# KiCad board fpga.kicad_pcb (continued)
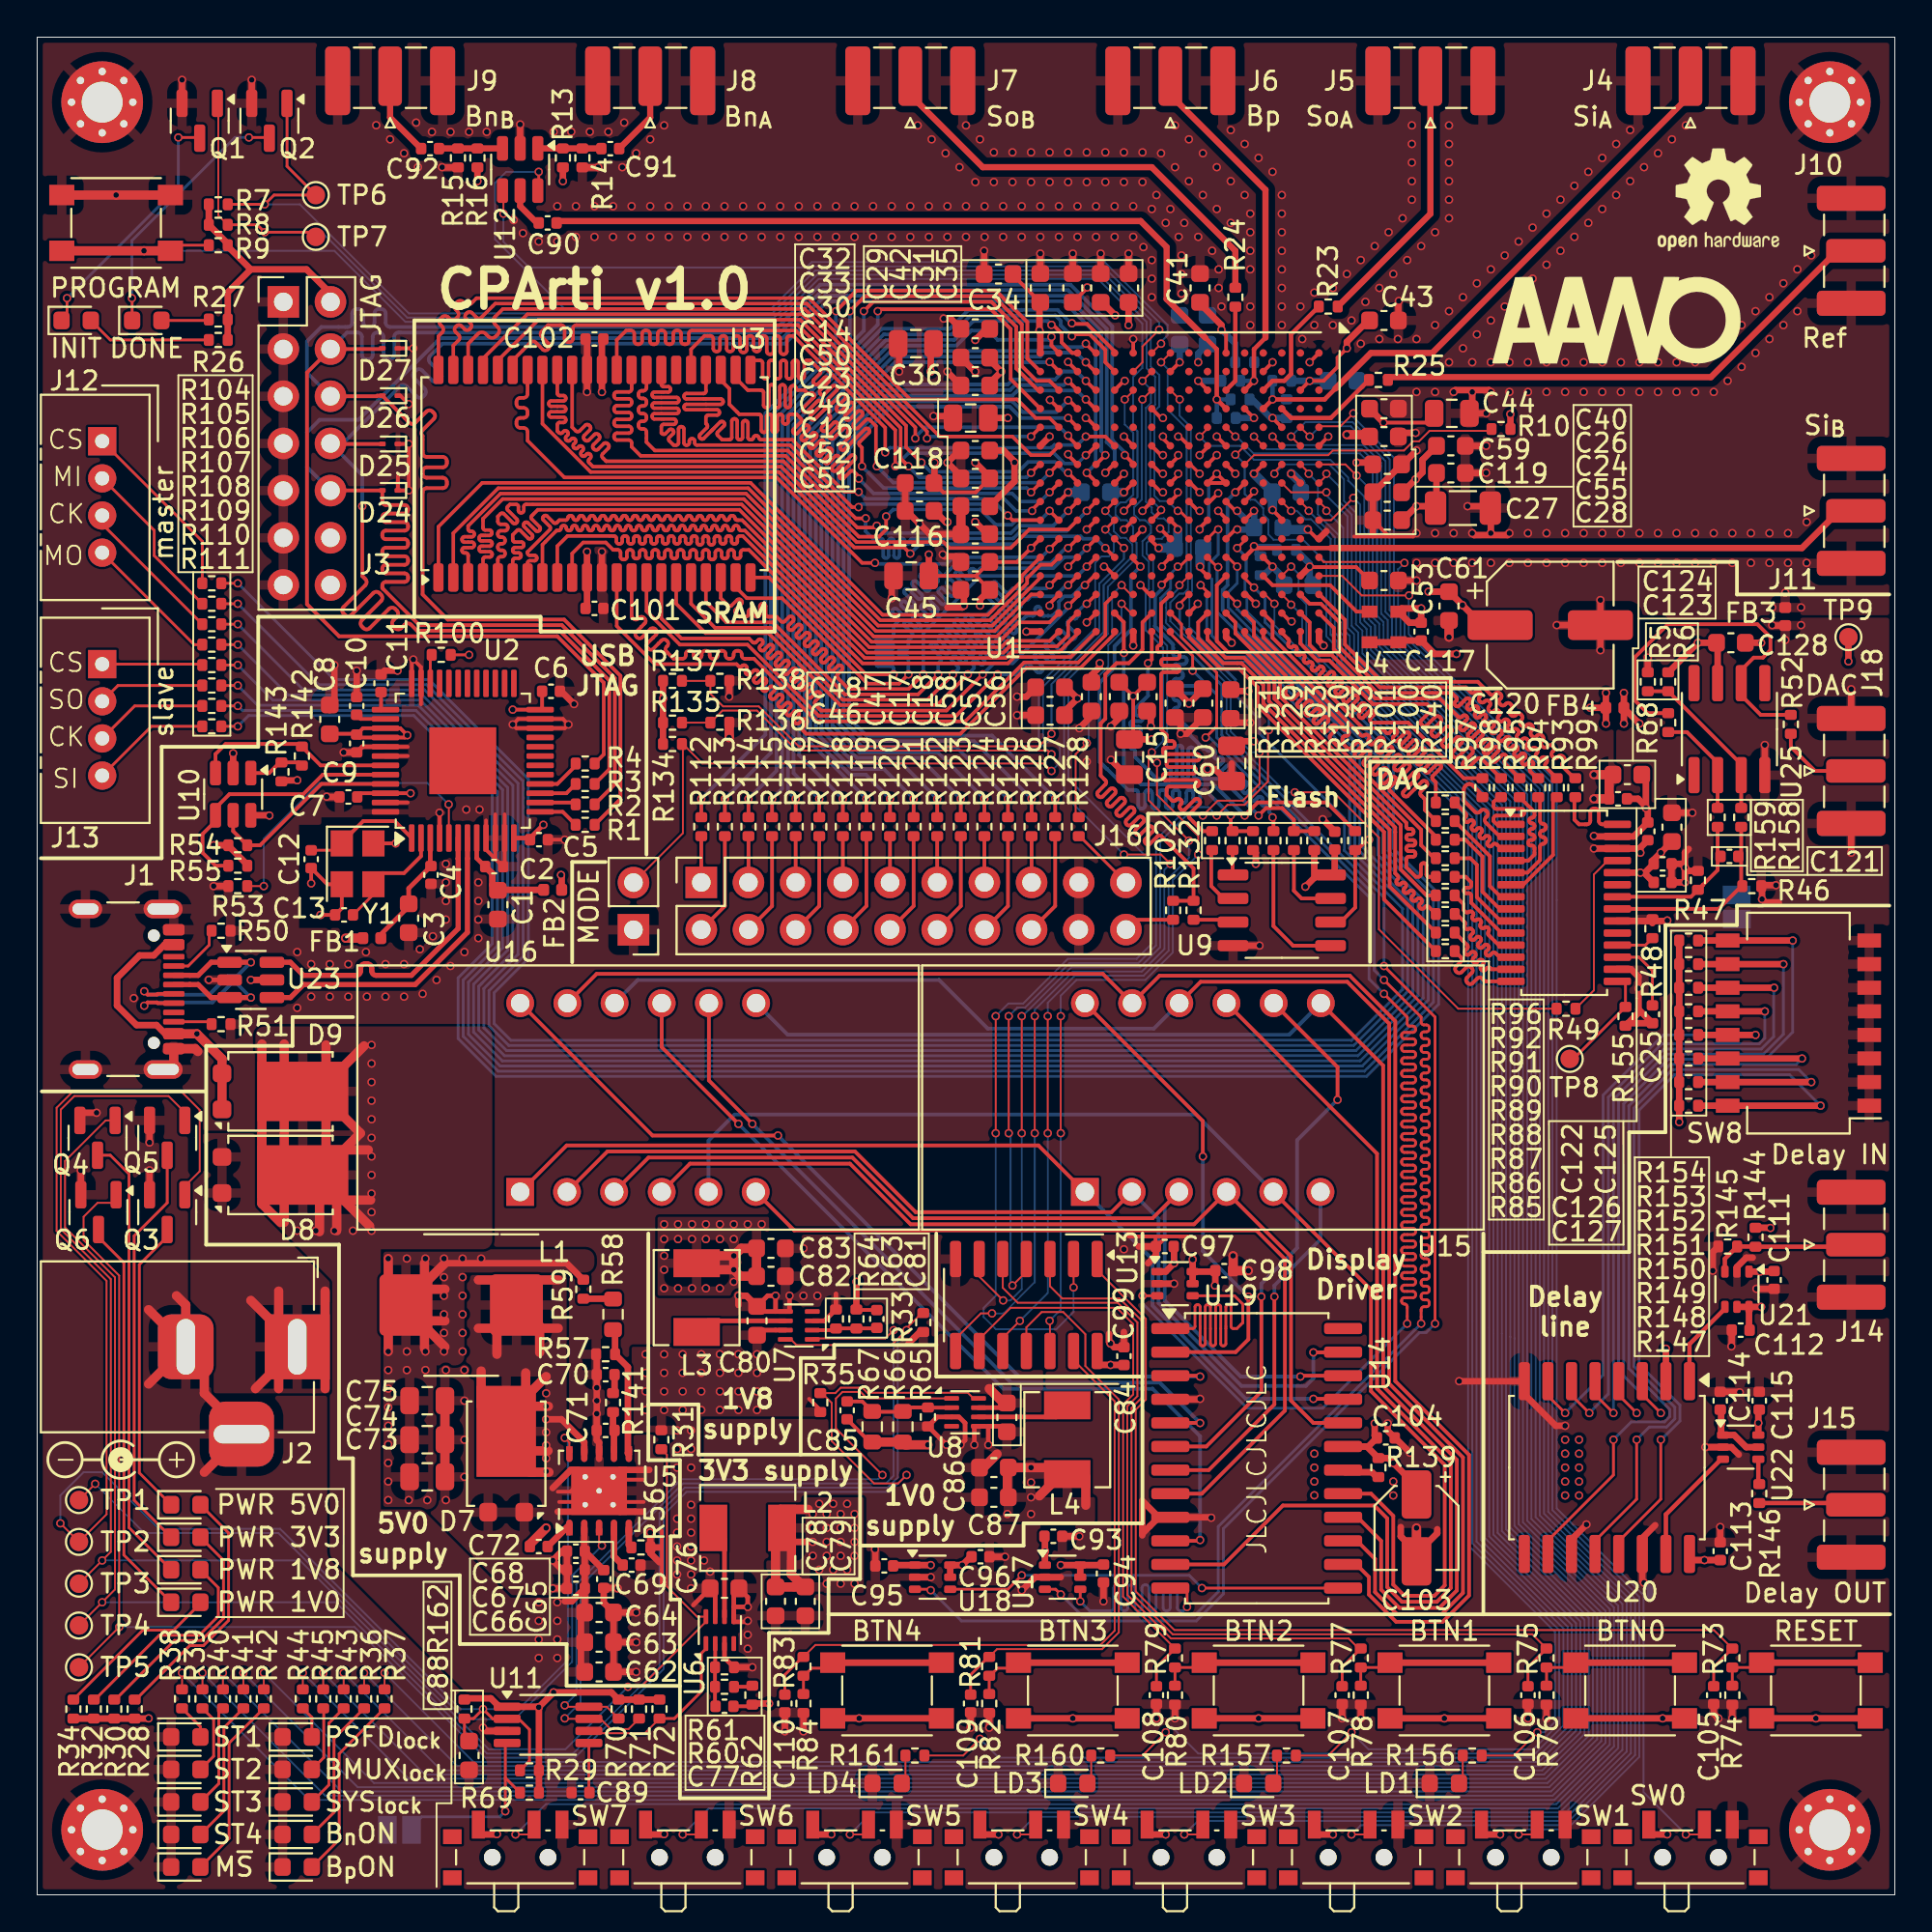
[diagram p0: board, top side]
## Placement (name value [footprint] x y rotation side) (continued)
R141  16k9  [R_0402_1005Metric]  31 26.5 90 top
R142  2k  [R_0402_1005Metric]  14.25 61.3 90 top
R143  10k  [R_0402_1005Metric]  13.15 60.45 90 top
R144  100  [R_0402_1005Metric]  92.5 35.4 270 top
R145  100  [R_0402_1005Metric]  91 34.9 180 top
R146  0  [R_0402_1005Metric]  92.7 21.6 90 top
R147  10k  [R_0402_1005Metric]  88.9 42.48 180 top
R148  10k  [R_0402_1005Metric]  88.9 43.75 180 top
R149  10k  [R_0402_1005Metric]  88.9 45.02 180 top
R150  10k  [R_0402_1005Metric]  88.9 46.29 180 top
R151  10k  [R_0402_1005Metric]  88.9 47.56 180 top
R152  10k  [R_0402_1005Metric]  88.9 48.83 180 top
R153  10k  [R_0402_1005Metric]  88.9 50.1 180 top
R154  10k  [R_0402_1005Metric]  88.9 51.37 180 top
R155  10k  [R_0402_1005Metric]  85.5 47.29 90 top
R156  330R  [R_0402_1005Metric]  77.25 7.5 180 top
R157  330R  [R_0402_1005Metric]  67.25 7.5 180 top
R158  226  [R_0402_1005Metric]  91.73 58 90 top
R159  226  [R_0402_1005Metric]  90.46 58 90 top
R160  330R  [R_0402_1005Metric]  57.25 7.5 180 top
R161  330R  [R_0402_1005Metric]  47.25 7.5 180 top
R162  100k  [R_0402_1005Metric]  23 10 90 top
REF**  -  [OSHW-Logo2_7.3x6mm_SilkScreen]  90.5 91.25 0 top
REF**#2  -  [Symbol_Barrel_Polarity]  4.5 23.5 0 top
SW0  SW_SPDT  [SW_SPDT_PCM12]  89 2.35 0 top
SW1  SW_SPDT  [SW_SPDT_PCM12]  80 2.35 0 top
SW2  SW_SPDT  [SW_SPDT_PCM12]  71 2.35 0 top
SW3  SW_SPDT  [SW_SPDT_PCM12]  62 2.35 0 top
SW4  SW_SPDT  [SW_SPDT_PCM12]  53 2.35 0 top
SW5  SW_SPDT  [SW_SPDT_PCM12]  44 2.35 0 top
SW6  SW_SPDT  [SW_SPDT_PCM12]  35 2.35 0 top
SW7  SW_SPDT  [SW_SPDT_PCM12]  26 2.35 0 top
SW8  SW_DIP_x08  [SW_DIP_SPSTx08_Slide_KingTek_DSHP08TS_W7.62mm_P1.27mm]  94.81 46.92 180 top
TP1  TestPoint  [TestPoint_Pad_D1.0mm]  2.25 21.25 0 top
TP2  TestPoint  [TestPoint_Pad_D1.0mm]  2.25 19 0 top
TP3  TestPoint  [TestPoint_Pad_D1.0mm]  2.25 16.75 180 top
TP4  TestPoint  [TestPoint_Pad_D1.0mm]  2.25 14.5 0 top
TP5  TestPoint  [TestPoint_Pad_D1.0mm]  2.25 12.25 0 top
TP6  TestPoint  [TestPoint_Pad_D1.0mm]  15 91.5 0 top
TP7  TestPoint  [TestPoint_Pad_D1.0mm]  15 89.25 0 top
TP8  TestPoint  [TestPoint_Pad_D1.0mm]  82.5 45 0 top
TP9  TestPoint  [TestPoint_Pad_D1.0mm]  97.5 67.7 0 top
U1  XC7A50T-FTG256  [Xilinx_FTG256]  61.5 75.5 270 top
U2  FT232H  [LQFP-48-1EP_7x7mm_P0.5mm_EP3.6x3.6mm]  22.91 61.05 90 top
U3  IS61WV25616EDBLL  [TSOP-II-44_10.16x18.41mm_P0.8mm]  30 76.5 90 top
U4  ASDM1-24MHz  [Oscillator_SMD_Abracon_ASDMB-4Pin_2.5x2.0mm]  72.5 68.25 90 top
U5  TPS54561  [Texas_S-PWSON-N10_4x4mm_ThermalVias]  30.25 21.75 90 top
U6  TPS62823DLC  [Texas_VSON-HR-8_1.5x2mm_P0.5mm]  36.75 14.25 90 top
U7  TPS62823DLC  [Texas_VSON-HR-8_1.5x2mm_P0.5mm]  41 30.65 180 top
U8  TPS62823DLC  [Texas_VSON-HR-8_1.5x2mm_P0.5mm]  49.95 25.97 0 top
U9  MX25L3233FM1  [SOP-8_3.9x4.9mm_P1.27mm]  67 53 0 top
U10  93LC56BT-I/OT  [SOT-23-6]  10.55 59.25 270 top
U11  LM3881  [Texas_S-PDSO-G8_3x3mm_P0.65mm]  27.5 9.15 0 top
U12  AS169-73LF  [SOT-23-6]  26 92.88 270 top
U13  74HC14  [SO-14_3.9x8.65mm_P1.27mm]  53.25 31.75 270 top
U14  MAX7219  [SOIC-24W_7.5x15.4mm_P1.27mm]  65.65 23.5 0 top
U15  XLITX 3641AS  [XLITX_3641AS]  62.75 42.92 0 top
U16  XLITX 3641AS  [XLITX_3641AS]  32.35 42.92 0 top
U17  SN74LVC1T45DCK  [SOT-363_SC-70-6]  55.2 17.1 0 top
U18  SN74LVC1T45DCK  [SOT-363_SC-70-6]  48.2 17.1 0 top
U19  SN74LVC1T45DCK  [SOT-363_SC-70-6]  61.25 32.9 0 top
U20  DS1023  [SOIC-16W_7.5x10.3mm_P1.27mm]  84.5 23 270 top
U21  SN74LVC1T45DCK  [SOT-363_SC-70-6]  91.5 32.6 270 top
U22  SN74LVC1T45DCK  [SOT-363_SC-70-6]  91.7 24.1 0 top
U23  USBLC6-2SC6  [SOT-23-6]  11.5 49.25 0 top
U24  AD9744  [TSSOP-28_4.4x9.7mm_P0.65mm]  82.2 53.4 0 top
U25  OPA356AID  [SOIC-8_3.9x4.9mm_P1.27mm]  91.09 62.75 90 top
Y1  12 MHz  [Crystal_SMD_3225-4Pin_3.2x2.5mm]  17.25 55.5 270 top

## Library data of the parts
BTN0-BTN4 BTN6 BTN7 = -: Description: Push button switch, generic, two pins; LCSC: C2888900
C1 C3 C8 C17 C24 C34 C35 C42 C43 C46 C47 C58 C59 C61 C116 C118 = -: Description: Unpolarized capacitor, small symbol; LCSC: C19666; ki_fp_filters: C_*
C2 C4-C7 C9-C11 C25 C72 C93-C102 C104-C115 C117 C122 C123 C126 C127 = -: Description: Unpolarized capacitor, small symbol; LCSC: C1525; ki_fp_filters: C_*
C12 C13 = -: Description: Unpolarized capacitor, small symbol; LCSC: C1554; ki_fp_filters: C_*
C14 C15 C36 C44 C45 C60 C73-C75 = -: Description: Unpolarized capacitor, small symbol; LCSC: C16780; ki_fp_filters: C_*
C16 C18-C23 C26 C28-C33 C37-C41 C48-C57 C119 = -: Description: Unpolarized capacitor, small symbol; LCSC: C1623; ki_fp_filters: C_*
C27 = -: Description: Unpolarized capacitor, small symbol; LCSC: C15008; ki_fp_filters: C_*
C62-C64 C76 C78-C80 C82-C84 C86-C88 C124 C125 C128 = -: Description: Unpolarized capacitor, small symbol; LCSC: C19702; ki_fp_filters: C_*
C65-C68 = -: Description: Unpolarized capacitor, small symbol; LCSC: C12530; ki_fp_filters: C_*
C69 C89-C92 = -: Description: Unpolarized capacitor, small symbol; LCSC: C15195; ki_fp_filters: C_*
C70 = -: Description: Unpolarized capacitor, small symbol; LCSC: C1538; ki_fp_filters: C_*
C71 = -: Description: Unpolarized capacitor, small symbol; LCSC: C1567; ki_fp_filters: C_*
C77 C81 C85 = -: Description: Unpolarized capacitor, small symbol; LCSC: C285005; ki_fp_filters: C_*
C103 = -: Description: Polarized capacitor, small symbol; LCSC: C5123980; ki_fp_filters: CP_*
C120 = -: Description: Polarized capacitor, small symbol; LCSC: C393780; ki_fp_filters: CP_*
C121 = -: Description: Unpolarized capacitor, small symbol; ki_fp_filters: C_*
D1-D6 = -: Description: Light emitting diode; LCSC: C2286; ki_fp_filters: LED* LED_SMD:* LED_THT:*
D7-D9 = -: Description: Schottky diode, anode on pins 1 and 2; LCSC: C3018534; ki_fp_filters: TO-???* *_Diode_* *SingleDiode* D_*
D10-D23 = -: LCSC: C72038; ki_fp_filters: LED* LED_SMD:* LED_THT:*
D24-D27 = -: Datasheet: https://www.onsemi.com/pub/Collateral/ESD9B-D.PDF; Description: ESD protection diode, 3.3Vrwm, SOD-923; LCSC: C96512; ki_fp_filters: D*SOD?923*
FB1-FB4 = -: Description: Ferrite bead, small symbol; LCSC: C76884; ki_fp_filters: Inductor_* L_* *Ferrite*
H1-H4 = -: Description: Mounting Hole with connection; ki_fp_filters: MountingHole*Pad*
J1 = -: Datasheet: https://www.usb.org/sites/default/files/documents/usb_type-c.zip; Description: USB 2.0-only 16P Type-C Receptacle connector; LCSC: C2927039; ki_fp_filters: USB*C*Receptacle*
J2 = -: Description: DC Barrel Jack with an internal switch; ki_fp_filters: BarrelJack*
J3 = -: Description: Generic connector, double row, 02x07, odd/even pin numbering scheme (row 1 odd numbers, row 2 even numbers), script generated (kicad-library-utils/schlib/autogen/connector/); ki_fp_filters: Connector*:*_2x??_*
J4-J11 J14 J15 J18 = -: Description: coaxial connector (BNC, SMA, SMB, SMC, Cinch/RCA, LEMO, ...); ki_fp_filters: *BNC* *SMA* *SMB* *SMC* *Cinch* *LEMO* *UMRF* *MCX* *U.FL*
J12 J13 = -: ki_fp_filters: Connector*:*_1x??_*
J16 = -: Description: Generic connector, double row, 02x10, odd/even pin numbering scheme (row 1 odd numbers, row 2 even numbers), script generated (kicad-library-utils/schlib/autogen/connector/); ki_fp_filters: Connector*:*_2x??_*
JP1-JP3 = -: Description: Jumper, 2-pole, small symbol, open; ki_fp_filters: Jumper* TestPoint*2Pads* TestPoint*Bridge*
L1 = -: Description: Inductor; LCSC: C5159363; ki_fp_filters: Choke_* *Coil* Inductor_* L_*
L2-L4 = -: Description: Inductor; LCSC: C436579; ki_fp_filters: Choke_* *Coil* Inductor_* L_*
NT1-NT4 = -: Description: Net tie, 2 pins; ki_fp_filters: Net*Tie*
Q1-Q6 = -: Datasheet: https://www.onsemi.com/pub/Collateral/NDS7002A-D.PDF; Description: 0.115A Id, 60V Vds, N-Channel MOSFET, SOT-23; LCSC: C8545; ki_fp_filters: SOT?23*
R1-R4 R49 R85-R99 R104-R111 = -: Description: Resistor, small symbol; LCSC: C25092; ki_fp_filters: R_*
R5 R6 R26-R28 R30 R32 R34 R59 R128 R134 = -: Description: Resistor, small symbol; LCSC: C11702; ki_fp_filters: R_*
R7 R36-R45 R156 R157 R160 R161 = -: Description: Resistor, small symbol; LCSC: C25104; ki_fp_filters: R_*
R8-R10 R103 = -: Description: Resistor, small symbol; LCSC: C25900; ki_fp_filters: R_*
R11-R22 R112-R127 R129-R133 R144 R145 = -: Description: Resistor, small symbol; LCSC: C25076; ki_fp_filters: R_*
R23-R25 R52 R135-R138 R146 = -: Description: Resistor, small symbol; LCSC: C17168; ki_fp_filters: R_*
R29 R31 R33 R35 R54 R55 R69 R73-R84 R100 R139 R143 R147-R155 = -: Description: Resistor, small symbol; LCSC: C25744; ki_fp_filters: R_*
R46 R47 = -: Description: Resistor, small symbol; LCSC: C284460; ki_fp_filters: R_*
R48 R101 R102 R142 = -: Description: Resistor, small symbol; LCSC: C4109; ki_fp_filters: R_*
R50 R51 = -: Description: Resistor, small symbol; LCSC: C25905; ki_fp_filters: R_*
R53 R57 = -: Description: Resistor, small symbol; LCSC: C25752; ki_fp_filters: R_*
R56 = -: Description: Resistor, small symbol; LCSC: C321395; ki_fp_filters: R_*
R58 = -: Description: Resistor, small symbol; LCSC: C23221; ki_fp_filters: R_*
R60 R64 R70-R72 R162 = -: Description: Resistor, small symbol; LCSC: C25741; ki_fp_filters: R_*
R61 = -: Description: Resistor, small symbol; LCSC: C25755; ki_fp_filters: R_*
R62 = -: Description: Resistor, small symbol; LCSC: C25774; ki_fp_filters: R_*
R63 = -: Description: Resistor, small symbol; LCSC: C25764; ki_fp_filters: R_*
R65 = -: Description: Resistor, small symbol; LCSC: C25750; ki_fp_filters: R_*
R66 R67 = -: Description: Resistor, small symbol; LCSC: C22813; ki_fp_filters: R_*
R68 = -: Description: Resistor, small symbol; LCSC: C853299; ki_fp_filters: R_*
R140 = -: Description: Resistor, small symbol; LCSC: C25120; ki_fp_filters: R_*
R141 = -: Description: Resistor, small symbol; LCSC: C497625; ki_fp_filters: R_*
R158 R159 = -: Description: Resistor, small symbol; LCSC: C852646; ki_fp_filters: R_*
SW0-SW7 = -: Description: Switch, single pole double throw; LCSC: C2681566
SW8 = -: LCSC: C6386921; ki_fp_filters: SW?DIP?x8*
TP1-TP9 = -: Description: test point; ki_fp_filters: Pin* Test*
U1 = -: Description: Artix 7 T 50 XC7A50T-FTG256; LCSC: C3272410
U2 = -: Datasheet: https://www.ftdichip.com/Support/Documents/DataSheets/ICs/DS_FT232H.pdf; Description: Hi Speed Single Channel USB UART/FIFO, LQFP/QFN-48; LCSC: C51997; ki_fp_filters: QFN*1EP*8x8mm*P0.5mm* LQFP*7x7mm*P0.5mm*
U3 = -: Datasheet: https://www.issi.com/WW/pdf/61-64WV25616EDBLL.pdf; Description: 256K x 16 HIGH-SPEED ASYNCHRONOUS CMOS STATIC RAM WITH ECC, 10ns, TSOP II-44; LCSC: C883296; ki_fp_filters: TSOP*10.16x18.41mm*P0.8mm*
U4 = -: Datasheet: https://abracon.com/Oscillators/ASDMB.pdf; Description: 1.8-3.3V SMD Ultra Miniature Crystal Clock Oscillator, Abracon; LCSC: C1987235; ki_fp_filters: Oscillator*SMD*Abracon*ASDMB*2.5x2.0mm*
U5 = -: Datasheet: https://www.ti.com/lit/ds/symlink/tps54561.pdf; Description: 5A, Step Down DC-DC Converter, 4.5-60V Input Voltage; LCSC: C180369; ki_fp_filters: Texas*R*PDSO*G8*
U6-U8 = -: Datasheet: http://www.ti.com/lit/ds/symlink/tps62823.pdf; Description: 3A Step-Down Converter with DCS-Control, adjustable output, 2.4-5.5V input voltage, QFN-8; LCSC: C2693497; ki_fp_filters: Texas*VSON*HR*1.5x2mm*P0.5mm*
U9 = -: Datasheet: https://www.macronix.com/Lists/Datasheet/Attachments/8377/MX25L3233F,%203V,%2032Mb,%20v1.1.pdf; Description: 32-Mbit, 3V (2.65V-3.6V) SPI Serial Flash Memory, SOP-8 (150mil); LCSC: C2802994; ki_fp_filters: SOP*3.9x4.9mm*P1.27mm*
U10 = -: Datasheet: http://ww1.microchip.com/downloads/en/DeviceDoc/20001749K.pdf; Description: Serial EEPROM, 93 Series, 2.5V, SOT-23-6; LCSC: C190271; ki_fp_filters: SOT?23*
U11 = -: Datasheet: https://www.ti.com/lit/ds/symlink/lm3881.pdf; Description: Simple Power Sequencer, VSSOP-8; LCSC: C529560; ki_fp_filters: SOT?23*
U12 = -: Datasheet: https://www.skyworksinc.com/-/media/SkyWorks/Documents/Products/1-100/AS169_200105E.pdf; Description: 300 kHz to 2.5 GHz GaAs SPDT Switch, SC-70; LCSC: C133314; ki_fp_filters: SOT*363*
U13 = -: Datasheet: http://www.ti.com/lit/gpn/sn74HC14; Description: Hex inverter schmitt trigger; LCSC: C5605; ki_fp_filters: DIP*W7.62mm*
U14 = -: Datasheet: https://datasheets.maximintegrated.com/en/ds/MAX7219-MAX7221.pdf; Description: 8-Digit LED Display Driver; LCSC: C9964; ki_fp_filters: SOIC*7.5x15.4mm*P1.27mm* DIP*7.62mm*
U15 U16 = -: Datasheet: http://www.xlitx.com/datasheet/3641AS.pdf; Description: 4 digit 7 segment ultra bright red 0.36-inch LED, common cathode; ki_fp_filters: *CA56*12CGKWA*
U17-U19 U21 U22 = -: Datasheet: http://www.ti.com/lit/ds/symlink/sn74lvc1t45.pdf; LCSC: C478004; ki_fp_filters: *SC?70*
U20 = -: Datasheet: https://www.analog.com/media/en/technical-documentation/data-sheets/DS1023.pdf; Description: 8-Bit Programmable Timing Element; LCSC: C1520394
U23 = -: Datasheet: https://www.st.com/resource/en/datasheet/usblc6-2.pdf; Description: Very low capacitance ESD protection diode, 2 data-line, SOT-23-6; LCSC: C2687116; ki_fp_filters: SOT?23*
U24 = -: Datasheet: https://www.analog.com/media/en/technical-documentation/data-sheets/AD9744.pdf; Description: 210MSPS 14bit DAC, TSSOP-28; LCSC: C461519; ki_fp_filters: TSSOP*4.4x9.7mm*P0.65mm*
U25 = -: Datasheet: http://www.ti.com/lit/ds/symlink/opa356.pdf; Description: Single High Speed CMOS Operational Amplifier, SOIC-8; LCSC: C2059381; ki_fp_filters: SOIC*3.9x4.9mm*P1.27mm*
Y1 = -: Description: Four pin crystal, GND on pins 2 and 4; LCSC: C9002; ki_fp_filters: Crystal*

## Footprints (pads in the part's own frame, mm; a bottom-side part is the same pattern mirrored in y, then rotated)
BarrelJack_Horizontal
  rect 3.5x3.5 hole 1x3: 1(0,0)
  rrect 3x3.5 hole 1x3: 2(-6,0)
  rrect 3.5x3.5 hole 3x1: 3(-3,-4.7)
C_0402_1005Metric
  rrect 0.56x0.62 smd: 1(-0.48,0) 2(0.48,0)
C_0603_1608Metric
  rrect 0.9x0.95 smd: 1(-0.775,0) 2(0.775,0)
C_0805_2012Metric
  rrect 1x1.45 smd: 1(-0.95,0) 2(0.95,0)
C_1206_3216Metric
  rrect 1.15x1.8 smd: 1(-1.475,0) 2(1.475,0)
CP_Elec_4x5.4
  rrect 2.6x1.6 smd: 1(-1.8,0) 2(1.8,0)
CP_Elec_6.3x7.7
  rrect 3.5x1.6 smd: 1(-2.7,0) 2(2.7,0)
Crystal_SMD_3225-4Pin_3.2x2.5mm
  rect 1.4x1.2 smd: 1(-1.1,-0.85) 2(1.1,-0.85) 3(1.1,0.85) 4(-1.1,0.85)
D_SOD-923
  rrect 0.36x0.25 smd: 1(-0.42,0) 2(0.42,0)
L_0402_1005Metric
  rrect 0.59x0.64 smd: 1(-0.485,0) 2(0.485,0)
L_Chilisin_BMRx00040412
  rect 1.5x2.5 smd: 1(-1.85,0) 2(1.85,0)
L_TDK_SPM7054VT
  rrect 2.85x3.3 smd: 1(-2.975,0) 2(2.975,0)
LED_0603_1608Metric
  rrect 0.875x0.95 smd: 1(-0.787,0) 2(0.787,0)
LQFP-48-1EP_7x7mm_P0.5mm_EP3.6x3.6mm
  rrect 0.97x0.97 smd: (-1.2,1.2) (-1.2,0) (-1.2,-1.2) (0,1.2) (0,0) (0,-1.2) (1.2,1.2) (1.2,0) (1.2,-1.2)
  rrect 1.475x0.3 smd: 1(-4.162,2.75) 2(-4.162,2.25) 3(-4.162,1.75) 4(-4.162,1.25) 5(-4.162,0.75) 6(-4.162,0.25) 7(-4.162,-0.25) 8(-4.162,-0.75) 9(-4.162,-1.25) 10(-4.162,-1.75) 11(-4.162,-2.25) 12(-4.162,-2.75) 25(4.162,-2.75) 26(4.162,-2.25) 27(4.162,-1.75) 28(4.162,-1.25) 29(4.162,-0.75) 30(4.162,-0.25) 31(4.162,0.25) 32(4.162,0.75) 33(4.162,1.25) 34(4.162,1.75) 35(4.162,2.25) 36(4.162,2.75)
  rrect 0.3x1.475 smd: 13(-2.75,-4.162) 14(-2.25,-4.162) 15(-1.75,-4.162) 16(-1.25,-4.162) 17(-0.75,-4.162) 18(-0.25,-4.162) 19(0.25,-4.162) 20(0.75,-4.162) 21(1.25,-4.162) 22(1.75,-4.162) 23(2.25,-4.162) 24(2.75,-4.162) 37(2.75,4.162) 38(2.25,4.162) 39(1.75,4.162) 40(1.25,4.162) 41(0.75,4.162) 42(0.25,4.162) 43(-0.25,4.162) 44(-0.75,4.162) 45(-1.25,4.162) 46(-1.75,4.162) 47(-2.25,4.162) 48(-2.75,4.162)
  rect 3.6x3.6 smd: 49(0,0)
MountingHole_2.2mm_M2_Pad_Via
  round 0.7 hole 0.4: 1(-1.65,0) 1(-1.167,1.167) 1(-1.167,-1.167) 1(0,1.65) 1(0,-1.65) 1(1.167,1.167) 1(1.167,-1.167) 1(1.65,0)
  round 4.4 hole 2.2: 1(0,0)
NetTie-2_SMD_Pad0.2355mm
  round 0.235 smd: 1(-0.4,0) 2(0.4,0)
NS-Tech_Grove_1x04_P2mm_Vertical
  rect 1.524x1.524 hole 0.762: 1(0,0)
  round 1.524 hole 0.762: 2(0,-2) 3(0,-4) 4(0,-6)
Oscillator_SMD_Abracon_ASDMB-4Pin_2.5x2.0mm
  rect 0.65x0.85 smd: 1(-0.825,-0.775) 2(0.825,-0.775) 3(0.825,0.775) 4(-0.825,0.775)
PinHeader_1x02_P2.54mm_Vertical
  rect 1.7x1.7 hole 1: 1(0,0)
  oval 1.7x1.7 hole 1: 2(0,-2.54)
PinHeader_2x07_P2.54mm_Vertical
  rect 1.7x1.7 hole 1: 1(0,0)
  oval 1.7x1.7 hole 1: 2(2.54,0) 3(0,-2.54) 4(2.54,-2.54) 5(0,-5.08) 6(2.54,-5.08) 7(0,-7.62) 8(2.54,-7.62) 9(0,-10.16) 10(2.54,-10.16) 11(0,-12.7) 12(2.54,-12.7) 13(0,-15.24) 14(2.54,-15.24)
PinSocket_2x10_P2.54mm_Vertical
  rect 1.7x1.7 hole 1: 1(0,0)
  oval 1.7x1.7 hole 1: 2(-2.54,0) 3(0,-2.54) 4(-2.54,-2.54) 5(0,-5.08) 6(-2.54,-5.08) 7(0,-7.62) 8(-2.54,-7.62) 9(0,-10.16) 10(-2.54,-10.16) 11(0,-12.7) 12(-2.54,-12.7) 13(0,-15.24) 14(-2.54,-15.24) 15(0,-17.78) 16(-2.54,-17.78) 17(0,-20.32) 18(-2.54,-20.32) 19(0,-22.86) 20(-2.54,-22.86)
R_0402_1005Metric
  rrect 0.54x0.64 smd: 1(-0.51,0) 2(0.51,0)
R_0603_1608Metric
  rrect 0.8x0.95 smd: 1(-0.825,0) 2(0.825,0)
SMA_Samtec_SMA-J-P-H-ST-EM1_EdgeMount
  rrect 3.2x1.27 smd: 1(0,0)
  rrect 3.7x1.35 smd: 2(-0.25,2.825) 2(-0.25,-2.825)
  rrect 3.7x1.35 smd far side: 2(-0.25,2.825) 2(-0.25,-2.825)
SO-14_3.9x8.65mm_P1.27mm
  rrect 1.95x0.6 smd: 1(-2.475,3.81) 2(-2.475,2.54) 3(-2.475,1.27) 4(-2.475,0) 5(-2.475,-1.27) 6(-2.475,-2.54) 7(-2.475,-3.81) 8(2.475,-3.81) 9(2.475,-2.54) 10(2.475,-1.27) 11(2.475,0) 12(2.475,1.27) 13(2.475,2.54) 14(2.475,3.81)
SOIC-8_3.9x4.9mm_P1.27mm
  rrect 1.95x0.6 smd: 1(-2.475,1.905) 2(-2.475,0.635) 3(-2.475,-0.635) 4(-2.475,-1.905) 5(2.475,-1.905) 6(2.475,-0.635) 7(2.475,0.635) 8(2.475,1.905)
SOIC-16W_7.5x10.3mm_P1.27mm
  rrect 2.05x0.6 smd: 1(-4.65,4.445) 2(-4.65,3.175) 3(-4.65,1.905) 4(-4.65,0.635) 5(-4.65,-0.635) 6(-4.65,-1.905) 7(-4.65,-3.175) 8(-4.65,-4.445) 9(4.65,-4.445) 10(4.65,-3.175) 11(4.65,-1.905) 12(4.65,-0.635) 13(4.65,0.635) 14(4.65,1.905) 15(4.65,3.175) 16(4.65,4.445)
SOIC-24W_7.5x15.4mm_P1.27mm
  rrect 2.05x0.6 smd: 1(-4.65,6.985) 2(-4.65,5.715) 3(-4.65,4.445) 4(-4.65,3.175) 5(-4.65,1.905) 6(-4.65,0.635) 7(-4.65,-0.635) 8(-4.65,-1.905) 9(-4.65,-3.175) 10(-4.65,-4.445) 11(-4.65,-5.715) 12(-4.65,-6.985) 13(4.65,-6.985) 14(4.65,-5.715) 15(4.65,-4.445) 16(4.65,-3.175) 17(4.65,-1.905) 18(4.65,-0.635) 19(4.65,0.635) 20(4.65,1.905) 21(4.65,3.175) 22(4.65,4.445) 23(4.65,5.715) 24(4.65,6.985)
SolderJumper-2_P1.3mm_Open_Pad1.0x1.5mm
  rect 1x1.5 smd: 1(-0.65,0) 2(0.65,0)
SOP-8_3.9x4.9mm_P1.27mm
  rrect 1.65x0.6 smd: 1(-2.625,1.905) 2(-2.625,0.635) 3(-2.625,-0.635) 4(-2.625,-1.905) 5(2.625,-1.905) 6(2.625,-0.635) 7(2.625,0.635) 8(2.625,1.905)
SOT-23
  rrect 1.475x0.6 smd: 1(-0.938,0.95) 2(-0.938,-0.95) 3(0.938,0)
SOT-23-6
  rrect 1.325x0.6 smd: 1(-1.137,0.95) 2(-1.137,0) 3(-1.137,-0.95) 4(1.137,-0.95) 5(1.137,0) 6(1.137,0.95)
SOT-363_SC-70-6
  rrect 0.65x0.4 smd: 1(-0.95,0.65) 2(-0.95,0) 3(-0.95,-0.65) 4(0.95,-0.65) 5(0.95,0) 6(0.95,0.65)
SW_DIP_SPSTx08_Slide_KingTek_DSHP08TS_W7.62mm_P1.27mm
  rect 1.27x0.76 smd: 1(-3.81,4.445) 2(-3.81,3.175) 3(-3.81,1.905) 4(-3.81,0.635) 5(-3.81,-0.635) 6(-3.81,-1.905) 7(-3.81,-3.175) 8(-3.81,-4.445) 9(3.81,-4.445) 10(3.81,-3.175) 11(3.81,-1.905) 12(3.81,-0.635) 13(3.81,0.635) 14(3.81,1.905) 15(3.81,3.175) 16(3.81,4.445)
SW_Push_TSC015A035_4.5x4.5mm_H4.5mm
  rect 1.35x1.1 smd: 1(-2.925,1.5) 1(2.925,1.5) 2(-2.925,-1.5) 2(2.925,-1.5)
SW_SPDT_PCM12
  rect 1x0.8 smd: (-3.65,0.78) (-3.65,-1.43) (3.65,0.78) (3.65,-1.43)
  round 0.9 hole 0.9 unplated: (-1.5,-0.33) (1.5,-0.33)
  rect 0.7x1.5 smd: 1(-2.25,1.43) 2(0.75,1.43) 3(2.25,1.43)
TestPoint_Pad_D1.0mm
  round 1 smd: 1(0,0)
Texas_S-PDSO-G8_3x3mm_P0.65mm
  rrect 1.45x0.45 smd: 1(-2.2,0.975) 2(-2.2,0.325) 3(-2.2,-0.325) 4(-2.2,-0.975) 5(2.2,-0.975) 6(2.2,-0.325) 7(2.2,0.325) 8(2.2,0.975)
Texas_S-PWSON-N10_4x4mm_ThermalVias
  rect 0.368x0.35 smd: 1(-2.216,1.6) 2(-2.216,0.8) 3(-2.216,0) 4(-2.216,-0.8) 5(-2.216,-1.6) 6(2.216,-1.6) 7(2.216,-0.8) 8(2.216,0) 9(2.216,0.8) 10(2.216,1.6)
  oval 0.85x0.35 smd: 1(-1.975,1.6) 2(-1.975,0.8) 3(-1.975,0) 4(-1.975,-0.8) 5(-1.975,-1.6) 6(1.975,-1.6) 7(1.975,-0.8) 8(1.975,0) 9(1.975,0.8) 10(1.975,1.6)
  round 0.6 hole 0.3: 11(-0.75,0.75) 11(-0.75,-0.75) 11(0,0) 11(0.75,0.75) 11(0.75,-0.75)
  rect 2.6x3 smd: 11(0,0)
Texas_VSON-HR-8_1.5x2mm_P0.5mm
  rrect 0.8x0.25 smd: 1(-0.725,0.75) 2(-0.725,0.25) 3(-0.725,-0.25) 4(-0.725,-0.75) 5(0.725,-0.75) 6(0.725,-0.25) 7(0.725,0.25) 8(0.725,0.75)
TO-277B
  rrect 1.3x1.2 smd: (-0.9,0.6) (-0.9,-1.2) (-0.9,-3) (0.9,0.6) (0.9,-1.2) (0.9,-3)
  rrect 0.95x1 smd: 1(-0.97,3.15) 2(0.97,3.15)
  rect 3.2x4.9 smd: 3(0,-1.2)
TSOP-II-44_10.16x18.41mm_P0.8mm
  rrect 1.525x0.55 smd: 1(-5.588,8.4) 2(-5.588,7.6) 3(-5.588,6.8) 4(-5.588,6) 5(-5.588,5.2) 6(-5.588,4.4) 7(-5.588,3.6) 8(-5.588,2.8) 9(-5.588,2) 10(-5.588,1.2) 11(-5.588,0.4) 12(-5.588,-0.4) 13(-5.588,-1.2) 14(-5.588,-2) 15(-5.588,-2.8) 16(-5.588,-3.6) 17(-5.588,-4.4) 18(-5.588,-5.2) 19(-5.588,-6) 20(-5.588,-6.8) 21(-5.588,-7.6) 22(-5.588,-8.4) 23(5.588,-8.4) 24(5.588,-7.6) 25(5.588,-6.8) 26(5.588,-6) 27(5.588,-5.2) 28(5.588,-4.4) 29(5.588,-3.6) 30(5.588,-2.8) 31(5.588,-2) 32(5.588,-1.2) 33(5.588,-0.4) 34(5.588,0.4) 35(5.588,1.2) 36(5.588,2) 37(5.588,2.8) 38(5.588,3.6) 39(5.588,4.4) 40(5.588,5.2) 41(5.588,6) 42(5.588,6.8) 43(5.588,7.6) 44(5.588,8.4)
TSSOP-28_4.4x9.7mm_P0.65mm
  rrect 1.475x0.4 smd: 1(-2.862,4.225) 2(-2.862,3.575) 3(-2.862,2.925) 4(-2.862,2.275) 5(-2.862,1.625) 6(-2.862,0.975) 7(-2.862,0.325) 8(-2.862,-0.325) 9(-2.862,-0.975) 10(-2.862,-1.625) 11(-2.862,-2.275) 12(-2.862,-2.925) 13(-2.862,-3.575) 14(-2.862,-4.225) 15(2.862,-4.225) 16(2.862,-3.575) 17(2.862,-2.925) 18(2.862,-2.275) 19(2.862,-1.625) 20(2.862,-0.975) 21(2.862,-0.325) 22(2.862,0.325) 23(2.862,0.975) 24(2.862,1.625) 25(2.862,2.275) 26(2.862,2.925) 27(2.862,3.575) 28(2.862,4.225)
USB_C_Receptacle_GCT_USB4105-xx-A_16P_TopMnt_Horizontal
  round 0.65 hole 0.65 unplated: (-2.89,2.605) (2.89,2.605)
  rrect 0.6x1.15 smd: A1(-3.2,3.68) A4(-2.4,3.68) A9(2.4,3.68) A12(3.2,3.68) B1(3.2,3.68) B4(2.4,3.68) B9(-2.4,3.68) B12(-3.2,3.68)
  rrect 0.3x1.15 smd: A5(-1.25,3.68) A6(-0.25,3.68) A7(0.25,3.68) A8(1.25,3.68) B5(1.75,3.68) B6(0.75,3.68) B7(-0.75,3.68) B8(-1.75,3.68)
  oval 1x2.1 hole 0.6x1.7: S1(-4.32,3.105) S1(4.32,3.105)
  oval 1x1.8 hole 0.6x1.4: S1(-4.32,-1.075) S1(4.32,-1.075)
Xilinx_FTG256
  round 0.4 smd: A1(-7.5,7.5) A2(-6.5,7.5) A3(-5.5,7.5) A4(-4.5,7.5) A5(-3.5,7.5) A6(-2.5,7.5) A7(-1.5,7.5) A8(-0.5,7.5) A9(0.5,7.5) A10(1.5,7.5) A11(2.5,7.5) A12(3.5,7.5) A13(4.5,7.5) A14(5.5,7.5) A15(6.5,7.5) A16(7.5,7.5) B1(-7.5,6.5) B2(-6.5,6.5) B3(-5.5,6.5) B4(-4.5,6.5) B5(-3.5,6.5) B6(-2.5,6.5) B7(-1.5,6.5) B8(-0.5,6.5) B9(0.5,6.5) B10(1.5,6.5) B11(2.5,6.5) B12(3.5,6.5) B13(4.5,6.5) B14(5.5,6.5) B15(6.5,6.5) B16(7.5,6.5) C1(-7.5,5.5) C2(-6.5,5.5) C3(-5.5,5.5) C4(-4.5,5.5) C5(-3.5,5.5) C6(-2.5,5.5) C7(-1.5,5.5) C8(-0.5,5.5) C9(0.5,5.5) C10(1.5,5.5) C11(2.5,5.5) C12(3.5,5.5) C13(4.5,5.5) C14(5.5,5.5) C15(6.5,5.5) C16(7.5,5.5) D1(-7.5,4.5) D2(-6.5,4.5) D3(-5.5,4.5) D4(-4.5,4.5) D5(-3.5,4.5) D6(-2.5,4.5) D7(-1.5,4.5) D8(-0.5,4.5) D9(0.5,4.5) D10(1.5,4.5) D11(2.5,4.5) D12(3.5,4.5) D13(4.5,4.5) D14(5.5,4.5) D15(6.5,4.5) D16(7.5,4.5) E1(-7.5,3.5) E2(-6.5,3.5) E3(-5.5,3.5) E4(-4.5,3.5) E5(-3.5,3.5) E6(-2.5,3.5) E7(-1.5,3.5) E8(-0.5,3.5) E9(0.5,3.5) E10(1.5,3.5) E11(2.5,3.5) E12(3.5,3.5) E13(4.5,3.5) E14(5.5,3.5) E15(6.5,3.5) E16(7.5,3.5) F1(-7.5,2.5) F2(-6.5,2.5) F3(-5.5,2.5) F4(-4.5,2.5) F5(-3.5,2.5) F6(-2.5,2.5) F7(-1.5,2.5) F8(-0.5,2.5) F9(0.5,2.5) F10(1.5,2.5) F11(2.5,2.5) F12(3.5,2.5) F13(4.5,2.5) F14(5.5,2.5) F15(6.5,2.5) F16(7.5,2.5) G1(-7.5,1.5) G2(-6.5,1.5) G3(-5.5,1.5) G4(-4.5,1.5) G5(-3.5,1.5) G6(-2.5,1.5) G7(-1.5,1.5) G8(-0.5,1.5) G9(0.5,1.5) G10(1.5,1.5) G11(2.5,1.5) G12(3.5,1.5) G13(4.5,1.5) G14(5.5,1.5) G15(6.5,1.5) G16(7.5,1.5) H1(-7.5,0.5) H2(-6.5,0.5) H3(-5.5,0.5) H4(-4.5,0.5) H5(-3.5,0.5) H6(-2.5,0.5) H7(-1.5,0.5) H8(-0.5,0.5) H9(0.5,0.5) H10(1.5,0.5) H11(2.5,0.5) H12(3.5,0.5) H13(4.5,0.5) H14(5.5,0.5) H15(6.5,0.5) H16(7.5,0.5) J1(-7.5,-0.5) J2(-6.5,-0.5) J3(-5.5,-0.5) J4(-4.5,-0.5) J5(-3.5,-0.5) J6(-2.5,-0.5) J7(-1.5,-0.5) J8(-0.5,-0.5) J9(0.5,-0.5) J10(1.5,-0.5) J11(2.5,-0.5) J12(3.5,-0.5) J13(4.5,-0.5) J14(5.5,-0.5) J15(6.5,-0.5) J16(7.5,-0.5) K1(-7.5,-1.5) K2(-6.5,-1.5) K3(-5.5,-1.5) K4(-4.5,-1.5) K5(-3.5,-1.5) K6(-2.5,-1.5) K7(-1.5,-1.5) K8(-0.5,-1.5) K9(0.5,-1.5) K10(1.5,-1.5) K11(2.5,-1.5) K12(3.5,-1.5) K13(4.5,-1.5) K14(5.5,-1.5) K15(6.5,-1.5) K16(7.5,-1.5) L1(-7.5,-2.5) L2(-6.5,-2.5) L3(-5.5,-2.5) L4(-4.5,-2.5) L5(-3.5,-2.5) L6(-2.5,-2.5) L7(-1.5,-2.5) L8(-0.5,-2.5) L9(0.5,-2.5) L10(1.5,-2.5) L11(2.5,-2.5) L12(3.5,-2.5) L13(4.5,-2.5) L14(5.5,-2.5) L15(6.5,-2.5) L16(7.5,-2.5) M1(-7.5,-3.5) M2(-6.5,-3.5) M3(-5.5,-3.5) M4(-4.5,-3.5) M5(-3.5,-3.5) M6(-2.5,-3.5) M7(-1.5,-3.5) M8(-0.5,-3.5) M9(0.5,-3.5) M10(1.5,-3.5) M11(2.5,-3.5) M12(3.5,-3.5) M13(4.5,-3.5) M14(5.5,-3.5) M15(6.5,-3.5) M16(7.5,-3.5) N1(-7.5,-4.5) N2(-6.5,-4.5) N3(-5.5,-4.5) N4(-4.5,-4.5) N5(-3.5,-4.5) N6(-2.5,-4.5) N7(-1.5,-4.5) N8(-0.5,-4.5) N9(0.5,-4.5) N10(1.5,-4.5) N11(2.5,-4.5) N12(3.5,-4.5) N13(4.5,-4.5) N14(5.5,-4.5) N15(6.5,-4.5) N16(7.5,-4.5) P1(-7.5,-5.5) P2(-6.5,-5.5) P3(-5.5,-5.5) P4(-4.5,-5.5) P5(-3.5,-5.5) P6(-2.5,-5.5) P7(-1.5,-5.5) P8(-0.5,-5.5) P9(0.5,-5.5) P10(1.5,-5.5) P11(2.5,-5.5) P12(3.5,-5.5) P13(4.5,-5.5) P14(5.5,-5.5) P15(6.5,-5.5) P16(7.5,-5.5) R1(-7.5,-6.5) R2(-6.5,-6.5) R3(-5.5,-6.5) R4(-4.5,-6.5) R5(-3.5,-6.5) R6(-2.5,-6.5) R7(-1.5,-6.5) R8(-0.5,-6.5) R9(0.5,-6.5) R10(1.5,-6.5) R11(2.5,-6.5) R12(3.5,-6.5) R13(4.5,-6.5) R14(5.5,-6.5) R15(6.5,-6.5) R16(7.5,-6.5) T1(-7.5,-7.5) T2(-6.5,-7.5) T3(-5.5,-7.5) T4(-4.5,-7.5) T5(-3.5,-7.5) T6(-2.5,-7.5) T7(-1.5,-7.5) T8(-0.5,-7.5) T9(0.5,-7.5) T10(1.5,-7.5) T11(2.5,-7.5) T12(3.5,-7.5) T13(4.5,-7.5) T14(5.5,-7.5) T15(6.5,-7.5) T16(7.5,-7.5)
XLITX_3641AS
  rect 1.5x1.5 hole 1: 1(-6.35,-5.08)
  round 1.5 hole 1: 2(-3.83,-5.08) 3(-1.29,-5.08) 4(1.27,-5.08) 5(3.79,-5.08) 6(6.33,-5.08) 7(6.35,5.08) 8(3.81,5.08) 9(1.27,5.08) 10(-1.27,5.08) 11(-3.81,5.08) 12(-6.35,5.08)

## Nets
+1V0: C20.2 C21.2 C22.2 C23.2 C24.2 C27.2 C28.2 C61.2 C85.2 C86.2 C87.2 C118.2 C119.2 C120.1 L4.2 R66.2 R67.2 U1.E10 U1.F7 U1.F9 U1.F11 U1.G6 U1.H9 U1.J6 U1.K9 U1.L8
+1V8: C15.2 C16.2 C17.2 C18.2 C19.2 C26.1 C81.2 C82.2 C83.2 C116.2 L3.2 R63.2 U1.F8 U1.G8 U1.G10 U1.J10 U1.K11 U1.L10
+3.3VA: C125.2 C126.1 C127.1 C128.2 FB4.2 R6.1 TP9.1 U24.24 U25.7
+3V3: BTN0.1 BTN1.1 BTN2.1 BTN3.1 BTN4.1 BTN6.1 C5.2 C6.2 C7.2 C8.2 C9.2 C14.1 C29.2 C30.2 C31.2 C32.2 C33.2 C34.2 C35.2 C36.2 C37.2 C38.2 C39.2 C40.2 C41.2 C42.2 C43.2 C44.2 C45.2 C46.2 C47.2 C48.2 C49.2 C50.2 C51.2 C52.2 C53.2 C54.2 C55.2 C56.2 C57.2 C58.2 C59.2 C60.2 C77.2 C78.2 C79.2 C93.2 C95.2 C97.2 C99.2 C100.2 C101.2 C102.2 C111.2 C115.2 C117.2 C122.1 C123.1 C124.2 FB1.1 FB2.1 FB4.1 J3.2 J16.19 J16.20 L2.2 R7.2 R8.2 R9.2 R10.2 R11.1 R13.1 R15.1 R17.1 R19.1 R21.1 R26.2 R27.2 R28.2 R30.2 R32.2 R34.2 R54.1 R55.1 R62.2 R100.2 R101.2 R102.2 R103.2 R128.1 R134.2 R135.1 R137.1 R143.1 R144.1 SW0.1 SW1.1 SW2.1 SW3.1 SW4.1 SW5.1 SW6.1 SW7.1 U1.A6 U1.A16 U1.B3 U1.B13 U1.C10 U1.D7 U1.E4 U1.E14 U1.F1 U1.H15 U1.J2 U1.J12 U1.L6 U1.L16 U1.M3 U1.M13 U1.N10 U1.P7 U1.R4 U1.R14 U1.T1 U1.T11 U2.12 U2.24 U2.39 U2.40 U2.46 U3.11 U3.33 U4.1 U4.4 U9.8 U10.6 U13.14 U17.1 U18.1 U19.1 U21.1 U22.6 U24.27
+5V: C73.2 C74.2 C75.2 C76.2 C80.2 C84.2 C94.2 C96.2 C98.2 C103.1 C104.2 C112.2 C113.2 C114.2 L1.2 R29.1 R31.1 R33.1 R35.1 R59.2 R69.2 R70.2 R71.2 R72.2 R139.1 R147.2 R148.2 R149.2 R150.2 R151.2 R152.2 R153.2 R154.2 R162.2 U6.7 U7.7 U8.7 U11.1 U14.19 U17.5 U17.6 U18.5 U18.6 U19.5 U19.6 U20.2 U20.16 U21.5 U21.6 U22.1 U22.5
/Power/VCC_1V0_en: R70.1 U8.1 U11.8
/Power/VCC_1V8_en: R71.1 U7.1 U11.7
/Power/VCC_3V3_en: R72.1 U6.1 U11.6
GND: BTN7.2 C1.1 C2.1 C3.1 C4.1 C5.1 C6.1 C7.1 C8.1 C9.1 C10.1 C11.1 C12.1 C13.1 C14.2 C15.1 C16.1 C17.1 C18.1 C19.1 C20.1 C21.1 C22.1 C23.1 C24.1 C26.2 C27.1 C28.1 C29.1 C30.1 C31.1 C32.1 C33.1 C34.1 C35.1 C36.1 C37.1 C38.1 C39.1 C40.1 C41.1 C42.1 C43.1 C44.1 C45.1 C46.1 C47.1 C48.1 C49.1 C50.1 C51.1 C52.1 C53.1 C54.1 C55.1 C56.1 C57.1 C58.1 C59.1 C60.1 C61.1 C62.1 C63.1 C64.1 C65.1 C66.1 C67.1 C68.1 C69.1 C70.1 C71.1 C73.1 C74.1 C75.1 C76.1 C78.1 C79.1 C80.1 C82.1 C83.1 C84.1 C86.1 C87.1 C88.1 C89.1 C93.1 C94.1 C95.1 C96.1 C97.1 C98.1 C99.1 C100.1 C101.1 C102.1 C103.2 C104.1 C105.1 C106.1 C107.1 C108.1 C109.1 C110.1 C111.1 C112.1 C113.1 C114.1 C115.1 C116.1 C117.1 C118.1 C119.1 C120.2 C122.2 C123.2 C124.1 D7.1 D7.2 D10.1 D11.1 D12.1 D13.1 D14.1 D15.1 D16.1 D17.1 D18.1 D19.1 D20.1 D21.1 D22.1 D23.1 D24.1 D25.1 D26.1 D27.1 FB3.1 H1.1 H2.1 H3.1 H4.1 J1.A1 J1.A12 J1.B1 J1.B12 J1.S1 J2.2 J2.3 J3.1 J3.3 J3.5 J3.7 J3.9 J3.11 J3.13 J4.2 J5.2 J6.2 J7.2 J8.2 J9.2 J10.2 J11.2 J14.2 J15.2 J16.17 J16.18 JP1.1 JP2.1 JP3.1 Q1.2 Q2.2 Q3.2 Q4.2 Q5.2 Q6.2 R12.2 R14.2 R16.2 R18.2 R20.2 R22.2 R50.2 R51.2 R53.1 R56.2 R57.2 R60.1 R64.1 R65.1 R74.2 R76.2 R78.2 R80.2 R82.2 R84.2 R136.2 R138.2 R145.2 SW0.3 SW1.3 SW2.3 SW3.3 SW4.3 SW5.3 SW6.3 SW7.3 SW8.1 SW8.2 SW8.3 SW8.4 SW8.5 SW8.6 SW8.7 SW8.8 U1.A1 U1.A11 U1.B8 U1.C5 U1.C15 U1.D2 U1.D12 U1.E9 U1.F6 U1.F10 U1.F16 U1.G3 U1.G7 U1.G9 U1.G13 U1.H6 U1.H7 U1.H8 U1.J7 U1.J8 U1.J9 U1.J11 U1.K4 U1.K6 U1.K7 U1.K8 U1.K14 U1.L1 U1.L11 U1.M8 U1.N5 U1.N15 U1.P2 U1.P12 U1.R9 U1.T6 U1.T16 U2.4 U2.9 U2.10 U2.11 U2.22 U2.23 U2.35 U2.36 U2.41 U2.42 U2.47 U2.48 U3.12 U3.34 U4.2 U5.8 U5.11 U6.3 U6.5 U7.3 U7.5 U8.3 U8.5 U9.4 U10.2 U11.3 U12.2 U13.7 U14.4 U14.9 U17.2 U18.2 U19.2 U20.8 U20.11 U20.14 U21.2 U22.2 U23.2 U24.26 Y1.2 Y1.4
GNDA: C25.2 C125.1 C126.2 C127.2 C128.1 FB3.2 J18.2 JP3.2 R5.1 R46.2 R47.2 R48.1 R155.1 U24.16 U24.20 U25.4
VBUS: D9.1 D9.2 J1.A4 J1.A9 J1.B4 J1.B9 U23.5
VDD: C62.2 C63.2 C64.2 C65.2 C66.2 C67.2 C68.2 D8.3 D9.3 U5.2
7SEG_{CLK}: U1.H12 U18.3
7SEG_{DIN}: U1.J15 U19.3
7SEG_{LOAD}: U1.J16 U17.3
/config/CFGBVS: R10.1 U1.E7
/config/DONE: Q2.1 R7.1 TP6.1 U1.H10
/config/INIT: Q1.1 R8.1 TP7.1 U1.K10
/config/MODE0: R137.2 R138.1 U1.M9
/config/MODE1: R135.2 R136.1 U1.M10
/config/MODE2: JP1.2 R134.1 U1.M11
/config/PROGRAM: BTN7.1 R9.1 U1.L9
/DAC/DAC_OPAMP_O: R52.2 R68.2 U25.6
/DAC/DAC_OPAMP_O_R: J18.1 R52.1
/DAC/IOUTA: C121.2 R47.1 R159.1 U24.22
/DAC/IOUTA_R: R68.1 R159.2 U25.2
/DAC/IOUTB: C121.1 R46.1 R158.1 U24.21
/DAC/IOUTB_R: R5.2 R6.2 R158.2 U25.3
/DAC/R_DAC_CLK: R99.2 U24.28
/DAC/R_DAC_D0: R85.2 U24.14
/DAC/R_DAC_D1: R86.2 U24.13
/DAC/R_DAC_D2: R87.2 U24.12
/DAC/R_DAC_D3: R88.2 U24.11
/DAC/R_DAC_D4: R89.2 U24.10
/DAC/R_DAC_D5: R90.2 U24.9
/DAC/R_DAC_D6: R91.2 U24.8
/DAC/R_DAC_D7: R92.2 U24.7
/DAC/R_DAC_D8: R93.2 U24.6
/DAC/R_DAC_D9: R94.2 U24.5
/DAC/R_DAC_D10: R95.2 U24.4
/DAC/R_DAC_D11: R96.2 U24.3
/DAC/R_DAC_D12: R97.2 U24.2
/DAC/R_DAC_D13: R98.2 U24.1
/DAC/R_DAC_MODE: R49.2 U24.25
/DAC/SLEEP: R155.2 TP8.1 U24.15
/FPGA banks 14-15/EMCCLK: R140.2 U1.M15
/FPGA banks 14-15/SPIm_MISO_R: J12.2 R105.2
/FPGA banks 14-15/SPIm_MOSI_R: J12.4 R107.2
/FPGA banks 14-15/SPIm_SCK_R: J12.3 R106.2
/FPGA banks 14-15/SPIm_~{CS}_R: J12.1 R104.2
/FPGA banks 14-15/SPIs_MISO_R: J13.2 R109.2
/FPGA banks 14-15/SPIs_MOSI_R: J13.4 R111.2
/FPGA banks 14-15/SPIs_SCK_R: J13.3 R110.2
/FPGA banks 14-15/SPIs_~{CS}_R: J13.1 R108.2
/FPGA banks 34-35/IO_0: R112.1 U1.T2
/FPGA banks 34-35/IO_0_R: J16.1 R112.2
/FPGA banks 34-35/IO_1: R113.1 U1.R3
/FPGA banks 34-35/IO_1_R: J16.2 R113.2
/FPGA banks 34-35/IO_2: R114.1 U1.T3
/FPGA banks 34-35/IO_2_R: J16.3 R114.2
/FPGA banks 34-35/IO_3: R115.1 U1.T4
/FPGA banks 34-35/IO_3_R: J16.4 R115.2
/FPGA banks 34-35/IO_4: R116.1 U1.M1
/FPGA banks 34-35/IO_4_R: J16.5 R116.2
/FPGA banks 34-35/IO_5: R117.1 U1.M2
/FPGA banks 34-35/IO_5_R: J16.6 R117.2
/FPGA banks 34-35/IO_6: R118.1 U1.P1
/FPGA banks 34-35/IO_6_R: J16.7 R118.2
/FPGA banks 34-35/IO_7: R119.1 U1.R1
/FPGA banks 34-35/IO_7_R: J16.8 R119.2
/FPGA banks 34-35/IO_8: R120.1 U1.N1
/FPGA banks 34-35/IO_8_R: J16.9 R120.2
/FPGA banks 34-35/IO_9: R121.1 U1.N2
/FPGA banks 34-35/IO_9_R: J16.10 R121.2
/FPGA banks 34-35/IO_10: R122.1 U1.R2
/FPGA banks 34-35/IO_10_R: J16.11 R122.2
/FPGA banks 34-35/IO_11: R123.1 U1.N3
/FPGA banks 34-35/IO_11_R: J16.12 R123.2
/FPGA banks 34-35/IO_12: R124.1 U1.P3
/FPGA banks 34-35/IO_12_R: J16.13 R124.2
/FPGA banks 34-35/IO_13: R125.1 U1.N4
/FPGA banks 34-35/IO_13_R: J16.14 R125.2
/FPGA banks 34-35/IO_14: R126.1 U1.P4
